# Altium PCB PCB3.PcbDoc (part 1 of 9) (continued)
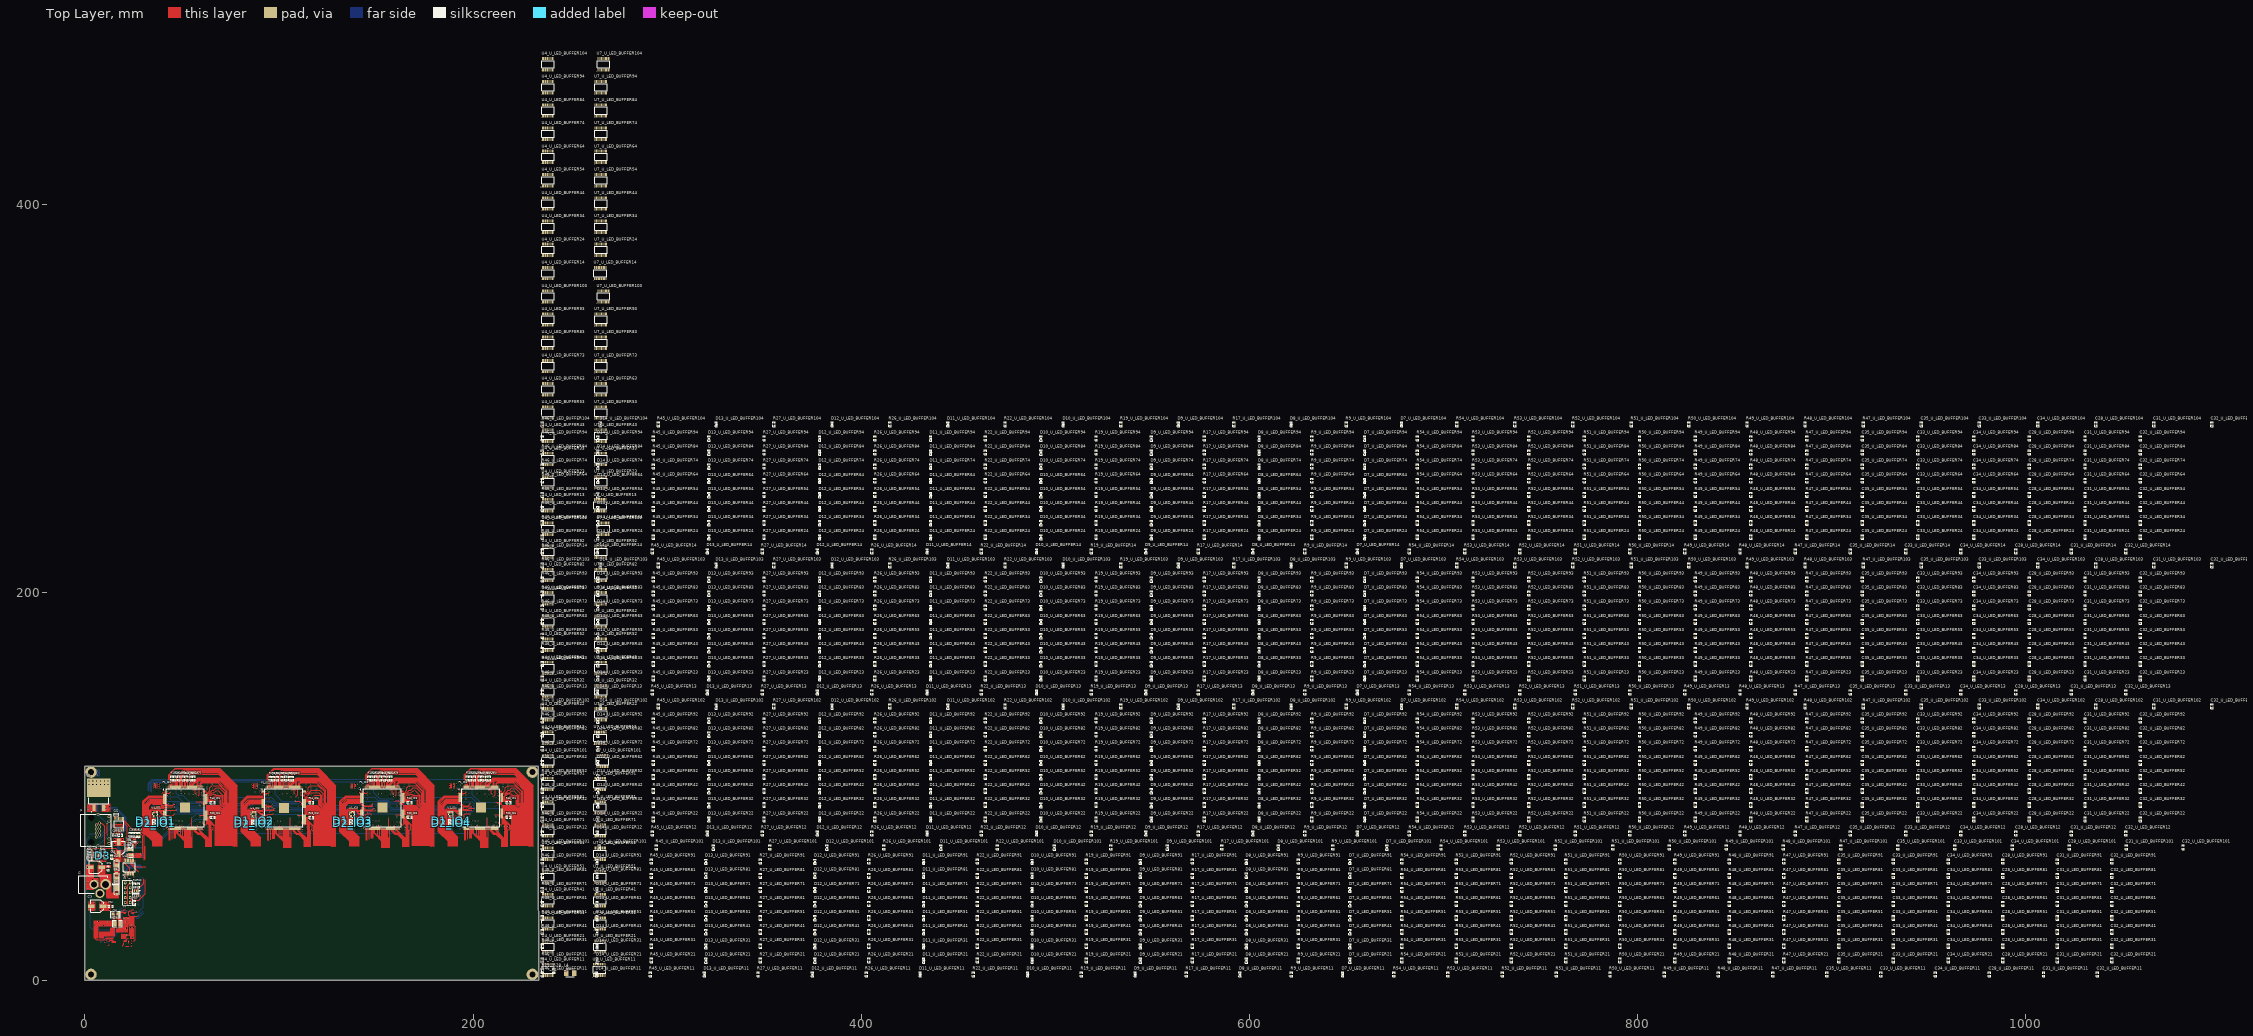
[diagram p0: Top Layer view]
## Classes and differential pairs (continued)
component class U_LED_BUFFER92: C28_U_LED_BUFFER92 C31_U_LED_BUFFER92 C32_U_LED_BUFFER92 C33_U_LED_BUFFER92 C34_U_LED_BUFFER92 C35_U_LED_BUFFER92 D7_U_LED_BUFFER92 D8_U_LED_BUFFER92 D9_U_LED_BUFFER92 D10_U_LED_BUFFER92 D11_U_LED_BUFFER92 D12_U_LED_BUFFER92 D13_U_LED_BUFFER92 D14_U_LED_BUFFER92 R9_U_LED_BUFFER92 R17_U_LED_BUFFER92 R19_U_LED_BUFFER92 R22_U_LED_BUFFER92 R26_U_LED_BUFFER92 R27_U_LED_BUFFER92 R45_U_LED_BUFFER92 R46_U_LED_BUFFER92 R47_U_LED_BUFFER92 R48_U_LED_BUFFER92 R49_U_LED_BUFFER92 R50_U_LED_BUFFER92 R51_U_LED_BUFFER92 R52_U_LED_BUFFER92 R53_U_LED_BUFFER92 R54_U_LED_BUFFER92 U4_U_LED_BUFFER92 U7_U_LED_BUFFER92
component class U_LED_BUFFER91: C28_U_LED_BUFFER91 C31_U_LED_BUFFER91 C32_U_LED_BUFFER91 C33_U_LED_BUFFER91 C34_U_LED_BUFFER91 C35_U_LED_BUFFER91 D7_U_LED_BUFFER91 D8_U_LED_BUFFER91 D9_U_LED_BUFFER91 D10_U_LED_BUFFER91 D11_U_LED_BUFFER91 D12_U_LED_BUFFER91 D13_U_LED_BUFFER91 D14_U_LED_BUFFER91 R9_U_LED_BUFFER91 R17_U_LED_BUFFER91 R19_U_LED_BUFFER91 R22_U_LED_BUFFER91 R26_U_LED_BUFFER91 R27_U_LED_BUFFER91 R45_U_LED_BUFFER91 R46_U_LED_BUFFER91 R47_U_LED_BUFFER91 R48_U_LED_BUFFER91 R49_U_LED_BUFFER91 R50_U_LED_BUFFER91 R51_U_LED_BUFFER91 R52_U_LED_BUFFER91 R53_U_LED_BUFFER91 R54_U_LED_BUFFER91 U4_U_LED_BUFFER91 U7_U_LED_BUFFER91
component class U_LED_BUFFER84: C28_U_LED_BUFFER84 C31_U_LED_BUFFER84 C32_U_LED_BUFFER84 C33_U_LED_BUFFER84 C34_U_LED_BUFFER84 C35_U_LED_BUFFER84 D7_U_LED_BUFFER84 D8_U_LED_BUFFER84 D9_U_LED_BUFFER84 D10_U_LED_BUFFER84 D11_U_LED_BUFFER84 D12_U_LED_BUFFER84 D13_U_LED_BUFFER84 D14_U_LED_BUFFER84 R9_U_LED_BUFFER84 R17_U_LED_BUFFER84 R19_U_LED_BUFFER84 R22_U_LED_BUFFER84 R26_U_LED_BUFFER84 R27_U_LED_BUFFER84 R45_U_LED_BUFFER84 R46_U_LED_BUFFER84 R47_U_LED_BUFFER84 R48_U_LED_BUFFER84 R49_U_LED_BUFFER84 R50_U_LED_BUFFER84 R51_U_LED_BUFFER84 R52_U_LED_BUFFER84 R53_U_LED_BUFFER84 R54_U_LED_BUFFER84 U4_U_LED_BUFFER84 U7_U_LED_BUFFER84
component class U_LED_BUFFER83: C28_U_LED_BUFFER83 C31_U_LED_BUFFER83 C32_U_LED_BUFFER83 C33_U_LED_BUFFER83 C34_U_LED_BUFFER83 C35_U_LED_BUFFER83 D7_U_LED_BUFFER83 D8_U_LED_BUFFER83 D9_U_LED_BUFFER83 D10_U_LED_BUFFER83 D11_U_LED_BUFFER83 D12_U_LED_BUFFER83 D13_U_LED_BUFFER83 D14_U_LED_BUFFER83 R9_U_LED_BUFFER83 R17_U_LED_BUFFER83 R19_U_LED_BUFFER83 R22_U_LED_BUFFER83 R26_U_LED_BUFFER83 R27_U_LED_BUFFER83 R45_U_LED_BUFFER83 R46_U_LED_BUFFER83 R47_U_LED_BUFFER83 R48_U_LED_BUFFER83 R49_U_LED_BUFFER83 R50_U_LED_BUFFER83 R51_U_LED_BUFFER83 R52_U_LED_BUFFER83 R53_U_LED_BUFFER83 R54_U_LED_BUFFER83 U4_U_LED_BUFFER83 U7_U_LED_BUFFER83
component class U_LED_BUFFER82: C28_U_LED_BUFFER82 C31_U_LED_BUFFER82 C32_U_LED_BUFFER82 C33_U_LED_BUFFER82 C34_U_LED_BUFFER82 C35_U_LED_BUFFER82 D7_U_LED_BUFFER82 D8_U_LED_BUFFER82 D9_U_LED_BUFFER82 D10_U_LED_BUFFER82 D11_U_LED_BUFFER82 D12_U_LED_BUFFER82 D13_U_LED_BUFFER82 D14_U_LED_BUFFER82 R9_U_LED_BUFFER82 R17_U_LED_BUFFER82 R19_U_LED_BUFFER82 R22_U_LED_BUFFER82 R26_U_LED_BUFFER82 R27_U_LED_BUFFER82 R45_U_LED_BUFFER82 R46_U_LED_BUFFER82 R47_U_LED_BUFFER82 R48_U_LED_BUFFER82 R49_U_LED_BUFFER82 R50_U_LED_BUFFER82 R51_U_LED_BUFFER82 R52_U_LED_BUFFER82 R53_U_LED_BUFFER82 R54_U_LED_BUFFER82 U4_U_LED_BUFFER82 U7_U_LED_BUFFER82
component class U_LED_BUFFER81: C28_U_LED_BUFFER81 C31_U_LED_BUFFER81 C32_U_LED_BUFFER81 C33_U_LED_BUFFER81 C34_U_LED_BUFFER81 C35_U_LED_BUFFER81 D7_U_LED_BUFFER81 D8_U_LED_BUFFER81 D9_U_LED_BUFFER81 D10_U_LED_BUFFER81 D11_U_LED_BUFFER81 D12_U_LED_BUFFER81 D13_U_LED_BUFFER81 D14_U_LED_BUFFER81 R9_U_LED_BUFFER81 R17_U_LED_BUFFER81 R19_U_LED_BUFFER81 R22_U_LED_BUFFER81 R26_U_LED_BUFFER81 R27_U_LED_BUFFER81 R45_U_LED_BUFFER81 R46_U_LED_BUFFER81 R47_U_LED_BUFFER81 R48_U_LED_BUFFER81 R49_U_LED_BUFFER81 R50_U_LED_BUFFER81 R51_U_LED_BUFFER81 R52_U_LED_BUFFER81 R53_U_LED_BUFFER81 R54_U_LED_BUFFER81 U4_U_LED_BUFFER81 U7_U_LED_BUFFER81
component class U_LED_BUFFER74: C28_U_LED_BUFFER74 C31_U_LED_BUFFER74 C32_U_LED_BUFFER74 C33_U_LED_BUFFER74 C34_U_LED_BUFFER74 C35_U_LED_BUFFER74 D7_U_LED_BUFFER74 D8_U_LED_BUFFER74 D9_U_LED_BUFFER74 D10_U_LED_BUFFER74 D11_U_LED_BUFFER74 D12_U_LED_BUFFER74 D13_U_LED_BUFFER74 D14_U_LED_BUFFER74 R9_U_LED_BUFFER74 R17_U_LED_BUFFER74 R19_U_LED_BUFFER74 R22_U_LED_BUFFER74 R26_U_LED_BUFFER74 R27_U_LED_BUFFER74 R45_U_LED_BUFFER74 R46_U_LED_BUFFER74 R47_U_LED_BUFFER74 R48_U_LED_BUFFER74 R49_U_LED_BUFFER74 R50_U_LED_BUFFER74 R51_U_LED_BUFFER74 R52_U_LED_BUFFER74 R53_U_LED_BUFFER74 R54_U_LED_BUFFER74 U4_U_LED_BUFFER74 U7_U_LED_BUFFER74
component class U_LED_BUFFER73: C28_U_LED_BUFFER73 C31_U_LED_BUFFER73 C32_U_LED_BUFFER73 C33_U_LED_BUFFER73 C34_U_LED_BUFFER73 C35_U_LED_BUFFER73 D7_U_LED_BUFFER73 D8_U_LED_BUFFER73 D9_U_LED_BUFFER73 D10_U_LED_BUFFER73 D11_U_LED_BUFFER73 D12_U_LED_BUFFER73 D13_U_LED_BUFFER73 D14_U_LED_BUFFER73 R9_U_LED_BUFFER73 R17_U_LED_BUFFER73 R19_U_LED_BUFFER73 R22_U_LED_BUFFER73 R26_U_LED_BUFFER73 R27_U_LED_BUFFER73 R45_U_LED_BUFFER73 R46_U_LED_BUFFER73 R47_U_LED_BUFFER73 R48_U_LED_BUFFER73 R49_U_LED_BUFFER73 R50_U_LED_BUFFER73 R51_U_LED_BUFFER73 R52_U_LED_BUFFER73 R53_U_LED_BUFFER73 R54_U_LED_BUFFER73 U4_U_LED_BUFFER73 U7_U_LED_BUFFER73
component class U_LED_BUFFER72: C28_U_LED_BUFFER72 C31_U_LED_BUFFER72 C32_U_LED_BUFFER72 C33_U_LED_BUFFER72 C34_U_LED_BUFFER72 C35_U_LED_BUFFER72 D7_U_LED_BUFFER72 D8_U_LED_BUFFER72 D9_U_LED_BUFFER72 D10_U_LED_BUFFER72 D11_U_LED_BUFFER72 D12_U_LED_BUFFER72 D13_U_LED_BUFFER72 D14_U_LED_BUFFER72 R9_U_LED_BUFFER72 R17_U_LED_BUFFER72 R19_U_LED_BUFFER72 R22_U_LED_BUFFER72 R26_U_LED_BUFFER72 R27_U_LED_BUFFER72 R45_U_LED_BUFFER72 R46_U_LED_BUFFER72 R47_U_LED_BUFFER72 R48_U_LED_BUFFER72 R49_U_LED_BUFFER72 R50_U_LED_BUFFER72 R51_U_LED_BUFFER72 R52_U_LED_BUFFER72 R53_U_LED_BUFFER72 R54_U_LED_BUFFER72 U4_U_LED_BUFFER72 U7_U_LED_BUFFER72
component class U_LED_BUFFER71: C28_U_LED_BUFFER71 C31_U_LED_BUFFER71 C32_U_LED_BUFFER71 C33_U_LED_BUFFER71 C34_U_LED_BUFFER71 C35_U_LED_BUFFER71 D7_U_LED_BUFFER71 D8_U_LED_BUFFER71 D9_U_LED_BUFFER71 D10_U_LED_BUFFER71 D11_U_LED_BUFFER71 D12_U_LED_BUFFER71 D13_U_LED_BUFFER71 D14_U_LED_BUFFER71 R9_U_LED_BUFFER71 R17_U_LED_BUFFER71 R19_U_LED_BUFFER71 R22_U_LED_BUFFER71 R26_U_LED_BUFFER71 R27_U_LED_BUFFER71 R45_U_LED_BUFFER71 R46_U_LED_BUFFER71 R47_U_LED_BUFFER71 R48_U_LED_BUFFER71 R49_U_LED_BUFFER71 R50_U_LED_BUFFER71 R51_U_LED_BUFFER71 R52_U_LED_BUFFER71 R53_U_LED_BUFFER71 R54_U_LED_BUFFER71 U4_U_LED_BUFFER71 U7_U_LED_BUFFER71
component class U_LED_BUFFER64: C28_U_LED_BUFFER64 C31_U_LED_BUFFER64 C32_U_LED_BUFFER64 C33_U_LED_BUFFER64 C34_U_LED_BUFFER64 C35_U_LED_BUFFER64 D7_U_LED_BUFFER64 D8_U_LED_BUFFER64 D9_U_LED_BUFFER64 D10_U_LED_BUFFER64 D11_U_LED_BUFFER64 D12_U_LED_BUFFER64 D13_U_LED_BUFFER64 D14_U_LED_BUFFER64 R9_U_LED_BUFFER64 R17_U_LED_BUFFER64 R19_U_LED_BUFFER64 R22_U_LED_BUFFER64 R26_U_LED_BUFFER64 R27_U_LED_BUFFER64 R45_U_LED_BUFFER64 R46_U_LED_BUFFER64 R47_U_LED_BUFFER64 R48_U_LED_BUFFER64 R49_U_LED_BUFFER64 R50_U_LED_BUFFER64 R51_U_LED_BUFFER64 R52_U_LED_BUFFER64 R53_U_LED_BUFFER64 R54_U_LED_BUFFER64 U4_U_LED_BUFFER64 U7_U_LED_BUFFER64
component class U_LED_BUFFER63: C28_U_LED_BUFFER63 C31_U_LED_BUFFER63 C32_U_LED_BUFFER63 C33_U_LED_BUFFER63 C34_U_LED_BUFFER63 C35_U_LED_BUFFER63 D7_U_LED_BUFFER63 D8_U_LED_BUFFER63 D9_U_LED_BUFFER63 D10_U_LED_BUFFER63 D11_U_LED_BUFFER63 D12_U_LED_BUFFER63 D13_U_LED_BUFFER63 D14_U_LED_BUFFER63 R9_U_LED_BUFFER63 R17_U_LED_BUFFER63 R19_U_LED_BUFFER63 R22_U_LED_BUFFER63 R26_U_LED_BUFFER63 R27_U_LED_BUFFER63 R45_U_LED_BUFFER63 R46_U_LED_BUFFER63 R47_U_LED_BUFFER63 R48_U_LED_BUFFER63 R49_U_LED_BUFFER63 R50_U_LED_BUFFER63 R51_U_LED_BUFFER63 R52_U_LED_BUFFER63 R53_U_LED_BUFFER63 R54_U_LED_BUFFER63 U4_U_LED_BUFFER63 U7_U_LED_BUFFER63
component class U_LED_BUFFER62: C28_U_LED_BUFFER62 C31_U_LED_BUFFER62 C32_U_LED_BUFFER62 C33_U_LED_BUFFER62 C34_U_LED_BUFFER62 C35_U_LED_BUFFER62 D7_U_LED_BUFFER62 D8_U_LED_BUFFER62 D9_U_LED_BUFFER62 D10_U_LED_BUFFER62 D11_U_LED_BUFFER62 D12_U_LED_BUFFER62 D13_U_LED_BUFFER62 D14_U_LED_BUFFER62 R9_U_LED_BUFFER62 R17_U_LED_BUFFER62 R19_U_LED_BUFFER62 R22_U_LED_BUFFER62 R26_U_LED_BUFFER62 R27_U_LED_BUFFER62 R45_U_LED_BUFFER62 R46_U_LED_BUFFER62 R47_U_LED_BUFFER62 R48_U_LED_BUFFER62 R49_U_LED_BUFFER62 R50_U_LED_BUFFER62 R51_U_LED_BUFFER62 R52_U_LED_BUFFER62 R53_U_LED_BUFFER62 R54_U_LED_BUFFER62 U4_U_LED_BUFFER62 U7_U_LED_BUFFER62
component class U_LED_BUFFER61: C28_U_LED_BUFFER61 C31_U_LED_BUFFER61 C32_U_LED_BUFFER61 C33_U_LED_BUFFER61 C34_U_LED_BUFFER61 C35_U_LED_BUFFER61 D7_U_LED_BUFFER61 D8_U_LED_BUFFER61 D9_U_LED_BUFFER61 D10_U_LED_BUFFER61 D11_U_LED_BUFFER61 D12_U_LED_BUFFER61 D13_U_LED_BUFFER61 D14_U_LED_BUFFER61 R9_U_LED_BUFFER61 R17_U_LED_BUFFER61 R19_U_LED_BUFFER61 R22_U_LED_BUFFER61 R26_U_LED_BUFFER61 R27_U_LED_BUFFER61 R45_U_LED_BUFFER61 R46_U_LED_BUFFER61 R47_U_LED_BUFFER61 R48_U_LED_BUFFER61 R49_U_LED_BUFFER61 R50_U_LED_BUFFER61 R51_U_LED_BUFFER61 R52_U_LED_BUFFER61 R53_U_LED_BUFFER61 R54_U_LED_BUFFER61 U4_U_LED_BUFFER61 U7_U_LED_BUFFER61
component class U_LED_BUFFER54: C28_U_LED_BUFFER54 C31_U_LED_BUFFER54 C32_U_LED_BUFFER54 C33_U_LED_BUFFER54 C34_U_LED_BUFFER54 C35_U_LED_BUFFER54 D7_U_LED_BUFFER54 D8_U_LED_BUFFER54 D9_U_LED_BUFFER54 D10_U_LED_BUFFER54 D11_U_LED_BUFFER54 D12_U_LED_BUFFER54 D13_U_LED_BUFFER54 D14_U_LED_BUFFER54 R9_U_LED_BUFFER54 R17_U_LED_BUFFER54 R19_U_LED_BUFFER54 R22_U_LED_BUFFER54 R26_U_LED_BUFFER54 R27_U_LED_BUFFER54 R45_U_LED_BUFFER54 R46_U_LED_BUFFER54 R47_U_LED_BUFFER54 R48_U_LED_BUFFER54 R49_U_LED_BUFFER54 R50_U_LED_BUFFER54 R51_U_LED_BUFFER54 R52_U_LED_BUFFER54 R53_U_LED_BUFFER54 R54_U_LED_BUFFER54 U4_U_LED_BUFFER54 U7_U_LED_BUFFER54
component class U_LED_BUFFER53: C28_U_LED_BUFFER53 C31_U_LED_BUFFER53 C32_U_LED_BUFFER53 C33_U_LED_BUFFER53 C34_U_LED_BUFFER53 C35_U_LED_BUFFER53 D7_U_LED_BUFFER53 D8_U_LED_BUFFER53 D9_U_LED_BUFFER53 D10_U_LED_BUFFER53 D11_U_LED_BUFFER53 D12_U_LED_BUFFER53 D13_U_LED_BUFFER53 D14_U_LED_BUFFER53 R9_U_LED_BUFFER53 R17_U_LED_BUFFER53 R19_U_LED_BUFFER53 R22_U_LED_BUFFER53 R26_U_LED_BUFFER53 R27_U_LED_BUFFER53 R45_U_LED_BUFFER53 R46_U_LED_BUFFER53 R47_U_LED_BUFFER53 R48_U_LED_BUFFER53 R49_U_LED_BUFFER53 R50_U_LED_BUFFER53 R51_U_LED_BUFFER53 R52_U_LED_BUFFER53 R53_U_LED_BUFFER53 R54_U_LED_BUFFER53 U4_U_LED_BUFFER53 U7_U_LED_BUFFER53
component class U_LED_BUFFER52: C28_U_LED_BUFFER52 C31_U_LED_BUFFER52 C32_U_LED_BUFFER52 C33_U_LED_BUFFER52 C34_U_LED_BUFFER52 C35_U_LED_BUFFER52 D7_U_LED_BUFFER52 D8_U_LED_BUFFER52 D9_U_LED_BUFFER52 D10_U_LED_BUFFER52 D11_U_LED_BUFFER52 D12_U_LED_BUFFER52 D13_U_LED_BUFFER52 D14_U_LED_BUFFER52 R9_U_LED_BUFFER52 R17_U_LED_BUFFER52 R19_U_LED_BUFFER52 R22_U_LED_BUFFER52 R26_U_LED_BUFFER52 R27_U_LED_BUFFER52 R45_U_LED_BUFFER52 R46_U_LED_BUFFER52 R47_U_LED_BUFFER52 R48_U_LED_BUFFER52 R49_U_LED_BUFFER52 R50_U_LED_BUFFER52 R51_U_LED_BUFFER52 R52_U_LED_BUFFER52 R53_U_LED_BUFFER52 R54_U_LED_BUFFER52 U4_U_LED_BUFFER52 U7_U_LED_BUFFER52
component class U_LED_BUFFER51: C28_U_LED_BUFFER51 C31_U_LED_BUFFER51 C32_U_LED_BUFFER51 C33_U_LED_BUFFER51 C34_U_LED_BUFFER51 C35_U_LED_BUFFER51 D7_U_LED_BUFFER51 D8_U_LED_BUFFER51 D9_U_LED_BUFFER51 D10_U_LED_BUFFER51 D11_U_LED_BUFFER51 D12_U_LED_BUFFER51 D13_U_LED_BUFFER51 D14_U_LED_BUFFER51 R9_U_LED_BUFFER51 R17_U_LED_BUFFER51 R19_U_LED_BUFFER51 R22_U_LED_BUFFER51 R26_U_LED_BUFFER51 R27_U_LED_BUFFER51 R45_U_LED_BUFFER51 R46_U_LED_BUFFER51 R47_U_LED_BUFFER51 R48_U_LED_BUFFER51 R49_U_LED_BUFFER51 R50_U_LED_BUFFER51 R51_U_LED_BUFFER51 R52_U_LED_BUFFER51 R53_U_LED_BUFFER51 R54_U_LED_BUFFER51 U4_U_LED_BUFFER51 U7_U_LED_BUFFER51
component class U_LED_BUFFER44: C28_U_LED_BUFFER44 C31_U_LED_BUFFER44 C32_U_LED_BUFFER44 C33_U_LED_BUFFER44 C34_U_LED_BUFFER44 C35_U_LED_BUFFER44 D7_U_LED_BUFFER44 D8_U_LED_BUFFER44 D9_U_LED_BUFFER44 D10_U_LED_BUFFER44 D11_U_LED_BUFFER44 D12_U_LED_BUFFER44 D13_U_LED_BUFFER44 D14_U_LED_BUFFER44 R9_U_LED_BUFFER44 R17_U_LED_BUFFER44 R19_U_LED_BUFFER44 R22_U_LED_BUFFER44 R26_U_LED_BUFFER44 R27_U_LED_BUFFER44 R45_U_LED_BUFFER44 R46_U_LED_BUFFER44 R47_U_LED_BUFFER44 R48_U_LED_BUFFER44 R49_U_LED_BUFFER44 R50_U_LED_BUFFER44 R51_U_LED_BUFFER44 R52_U_LED_BUFFER44 R53_U_LED_BUFFER44 R54_U_LED_BUFFER44 U4_U_LED_BUFFER44 U7_U_LED_BUFFER44
component class U_LED_BUFFER43: C28_U_LED_BUFFER43 C31_U_LED_BUFFER43 C32_U_LED_BUFFER43 C33_U_LED_BUFFER43 C34_U_LED_BUFFER43 C35_U_LED_BUFFER43 D7_U_LED_BUFFER43 D8_U_LED_BUFFER43 D9_U_LED_BUFFER43 D10_U_LED_BUFFER43 D11_U_LED_BUFFER43 D12_U_LED_BUFFER43 D13_U_LED_BUFFER43 D14_U_LED_BUFFER43 R9_U_LED_BUFFER43 R17_U_LED_BUFFER43 R19_U_LED_BUFFER43 R22_U_LED_BUFFER43 R26_U_LED_BUFFER43 R27_U_LED_BUFFER43 R45_U_LED_BUFFER43 R46_U_LED_BUFFER43 R47_U_LED_BUFFER43 R48_U_LED_BUFFER43 R49_U_LED_BUFFER43 R50_U_LED_BUFFER43 R51_U_LED_BUFFER43 R52_U_LED_BUFFER43 R53_U_LED_BUFFER43 R54_U_LED_BUFFER43 U4_U_LED_BUFFER43 U7_U_LED_BUFFER43
component class U_LED_BUFFER42: C28_U_LED_BUFFER42 C31_U_LED_BUFFER42 C32_U_LED_BUFFER42 C33_U_LED_BUFFER42 C34_U_LED_BUFFER42 C35_U_LED_BUFFER42 D7_U_LED_BUFFER42 D8_U_LED_BUFFER42 D9_U_LED_BUFFER42 D10_U_LED_BUFFER42 D11_U_LED_BUFFER42 D12_U_LED_BUFFER42 D13_U_LED_BUFFER42 D14_U_LED_BUFFER42 R9_U_LED_BUFFER42 R17_U_LED_BUFFER42 R19_U_LED_BUFFER42 R22_U_LED_BUFFER42 R26_U_LED_BUFFER42 R27_U_LED_BUFFER42 R45_U_LED_BUFFER42 R46_U_LED_BUFFER42 R47_U_LED_BUFFER42 R48_U_LED_BUFFER42 R49_U_LED_BUFFER42 R50_U_LED_BUFFER42 R51_U_LED_BUFFER42 R52_U_LED_BUFFER42 R53_U_LED_BUFFER42 R54_U_LED_BUFFER42 U4_U_LED_BUFFER42 U7_U_LED_BUFFER42
component class U_LED_BUFFER41: C28_U_LED_BUFFER41 C31_U_LED_BUFFER41 C32_U_LED_BUFFER41 C33_U_LED_BUFFER41 C34_U_LED_BUFFER41 C35_U_LED_BUFFER41 D7_U_LED_BUFFER41 D8_U_LED_BUFFER41 D9_U_LED_BUFFER41 D10_U_LED_BUFFER41 D11_U_LED_BUFFER41 D12_U_LED_BUFFER41 D13_U_LED_BUFFER41 D14_U_LED_BUFFER41 R9_U_LED_BUFFER41 R17_U_LED_BUFFER41 R19_U_LED_BUFFER41 R22_U_LED_BUFFER41 R26_U_LED_BUFFER41 R27_U_LED_BUFFER41 R45_U_LED_BUFFER41 R46_U_LED_BUFFER41 R47_U_LED_BUFFER41 R48_U_LED_BUFFER41 R49_U_LED_BUFFER41 R50_U_LED_BUFFER41 R51_U_LED_BUFFER41 R52_U_LED_BUFFER41 R53_U_LED_BUFFER41 R54_U_LED_BUFFER41 U4_U_LED_BUFFER41 U7_U_LED_BUFFER41
component class U_LED_BUFFER34: C28_U_LED_BUFFER34 C31_U_LED_BUFFER34 C32_U_LED_BUFFER34 C33_U_LED_BUFFER34 C34_U_LED_BUFFER34 C35_U_LED_BUFFER34 D7_U_LED_BUFFER34 D8_U_LED_BUFFER34 D9_U_LED_BUFFER34 D10_U_LED_BUFFER34 D11_U_LED_BUFFER34 D12_U_LED_BUFFER34 D13_U_LED_BUFFER34 D14_U_LED_BUFFER34 R9_U_LED_BUFFER34 R17_U_LED_BUFFER34 R19_U_LED_BUFFER34 R22_U_LED_BUFFER34 R26_U_LED_BUFFER34 R27_U_LED_BUFFER34 R45_U_LED_BUFFER34 R46_U_LED_BUFFER34 R47_U_LED_BUFFER34 R48_U_LED_BUFFER34 R49_U_LED_BUFFER34 R50_U_LED_BUFFER34 R51_U_LED_BUFFER34 R52_U_LED_BUFFER34 R53_U_LED_BUFFER34 R54_U_LED_BUFFER34 U4_U_LED_BUFFER34 U7_U_LED_BUFFER34
component class U_LED_BUFFER33: C28_U_LED_BUFFER33 C31_U_LED_BUFFER33 C32_U_LED_BUFFER33 C33_U_LED_BUFFER33 C34_U_LED_BUFFER33 C35_U_LED_BUFFER33 D7_U_LED_BUFFER33 D8_U_LED_BUFFER33 D9_U_LED_BUFFER33 D10_U_LED_BUFFER33 D11_U_LED_BUFFER33 D12_U_LED_BUFFER33 D13_U_LED_BUFFER33 D14_U_LED_BUFFER33 R9_U_LED_BUFFER33 R17_U_LED_BUFFER33 R19_U_LED_BUFFER33 R22_U_LED_BUFFER33 R26_U_LED_BUFFER33 R27_U_LED_BUFFER33 R45_U_LED_BUFFER33 R46_U_LED_BUFFER33 R47_U_LED_BUFFER33 R48_U_LED_BUFFER33 R49_U_LED_BUFFER33 R50_U_LED_BUFFER33 R51_U_LED_BUFFER33 R52_U_LED_BUFFER33 R53_U_LED_BUFFER33 R54_U_LED_BUFFER33 U4_U_LED_BUFFER33 U7_U_LED_BUFFER33
component class U_LED_BUFFER32: C28_U_LED_BUFFER32 C31_U_LED_BUFFER32 C32_U_LED_BUFFER32 C33_U_LED_BUFFER32 C34_U_LED_BUFFER32 C35_U_LED_BUFFER32 D7_U_LED_BUFFER32 D8_U_LED_BUFFER32 D9_U_LED_BUFFER32 D10_U_LED_BUFFER32 D11_U_LED_BUFFER32 D12_U_LED_BUFFER32 D13_U_LED_BUFFER32 D14_U_LED_BUFFER32 R9_U_LED_BUFFER32 R17_U_LED_BUFFER32 R19_U_LED_BUFFER32 R22_U_LED_BUFFER32 R26_U_LED_BUFFER32 R27_U_LED_BUFFER32 R45_U_LED_BUFFER32 R46_U_LED_BUFFER32 R47_U_LED_BUFFER32 R48_U_LED_BUFFER32 R49_U_LED_BUFFER32 R50_U_LED_BUFFER32 R51_U_LED_BUFFER32 R52_U_LED_BUFFER32 R53_U_LED_BUFFER32 R54_U_LED_BUFFER32 U4_U_LED_BUFFER32 U7_U_LED_BUFFER32
component class U_LED_BUFFER31: C28_U_LED_BUFFER31 C31_U_LED_BUFFER31 C32_U_LED_BUFFER31 C33_U_LED_BUFFER31 C34_U_LED_BUFFER31 C35_U_LED_BUFFER31 D7_U_LED_BUFFER31 D8_U_LED_BUFFER31 D9_U_LED_BUFFER31 D10_U_LED_BUFFER31 D11_U_LED_BUFFER31 D12_U_LED_BUFFER31 D13_U_LED_BUFFER31 D14_U_LED_BUFFER31 R9_U_LED_BUFFER31 R17_U_LED_BUFFER31 R19_U_LED_BUFFER31 R22_U_LED_BUFFER31 R26_U_LED_BUFFER31 R27_U_LED_BUFFER31 R45_U_LED_BUFFER31 R46_U_LED_BUFFER31 R47_U_LED_BUFFER31 R48_U_LED_BUFFER31 R49_U_LED_BUFFER31 R50_U_LED_BUFFER31 R51_U_LED_BUFFER31 R52_U_LED_BUFFER31 R53_U_LED_BUFFER31 R54_U_LED_BUFFER31 U4_U_LED_BUFFER31 U7_U_LED_BUFFER31
component class U_LED_BUFFER24: C28_U_LED_BUFFER24 C31_U_LED_BUFFER24 C32_U_LED_BUFFER24 C33_U_LED_BUFFER24 C34_U_LED_BUFFER24 C35_U_LED_BUFFER24 D7_U_LED_BUFFER24 D8_U_LED_BUFFER24 D9_U_LED_BUFFER24 D10_U_LED_BUFFER24 D11_U_LED_BUFFER24 D12_U_LED_BUFFER24 D13_U_LED_BUFFER24 D14_U_LED_BUFFER24 R9_U_LED_BUFFER24 R17_U_LED_BUFFER24 R19_U_LED_BUFFER24 R22_U_LED_BUFFER24 R26_U_LED_BUFFER24 R27_U_LED_BUFFER24 R45_U_LED_BUFFER24 R46_U_LED_BUFFER24 R47_U_LED_BUFFER24 R48_U_LED_BUFFER24 R49_U_LED_BUFFER24 R50_U_LED_BUFFER24 R51_U_LED_BUFFER24 R52_U_LED_BUFFER24 R53_U_LED_BUFFER24 R54_U_LED_BUFFER24 U4_U_LED_BUFFER24 U7_U_LED_BUFFER24
component class U_LED_BUFFER23: C28_U_LED_BUFFER23 C31_U_LED_BUFFER23 C32_U_LED_BUFFER23 C33_U_LED_BUFFER23 C34_U_LED_BUFFER23 C35_U_LED_BUFFER23 D7_U_LED_BUFFER23 D8_U_LED_BUFFER23 D9_U_LED_BUFFER23 D10_U_LED_BUFFER23 D11_U_LED_BUFFER23 D12_U_LED_BUFFER23 D13_U_LED_BUFFER23 D14_U_LED_BUFFER23 R9_U_LED_BUFFER23 R17_U_LED_BUFFER23 R19_U_LED_BUFFER23 R22_U_LED_BUFFER23 R26_U_LED_BUFFER23 R27_U_LED_BUFFER23 R45_U_LED_BUFFER23 R46_U_LED_BUFFER23 R47_U_LED_BUFFER23 R48_U_LED_BUFFER23 R49_U_LED_BUFFER23 R50_U_LED_BUFFER23 R51_U_LED_BUFFER23 R52_U_LED_BUFFER23 R53_U_LED_BUFFER23 R54_U_LED_BUFFER23 U4_U_LED_BUFFER23 U7_U_LED_BUFFER23
component class U_LED_BUFFER22: C28_U_LED_BUFFER22 C31_U_LED_BUFFER22 C32_U_LED_BUFFER22 C33_U_LED_BUFFER22 C34_U_LED_BUFFER22 C35_U_LED_BUFFER22 D7_U_LED_BUFFER22 D8_U_LED_BUFFER22 D9_U_LED_BUFFER22 D10_U_LED_BUFFER22 D11_U_LED_BUFFER22 D12_U_LED_BUFFER22 D13_U_LED_BUFFER22 D14_U_LED_BUFFER22 R9_U_LED_BUFFER22 R17_U_LED_BUFFER22 R19_U_LED_BUFFER22 R22_U_LED_BUFFER22 R26_U_LED_BUFFER22 R27_U_LED_BUFFER22 R45_U_LED_BUFFER22 R46_U_LED_BUFFER22 R47_U_LED_BUFFER22 R48_U_LED_BUFFER22 R49_U_LED_BUFFER22 R50_U_LED_BUFFER22 R51_U_LED_BUFFER22 R52_U_LED_BUFFER22 R53_U_LED_BUFFER22 R54_U_LED_BUFFER22 U4_U_LED_BUFFER22 U7_U_LED_BUFFER22
component class U_LED_BUFFER21: C28_U_LED_BUFFER21 C31_U_LED_BUFFER21 C32_U_LED_BUFFER21 C33_U_LED_BUFFER21 C34_U_LED_BUFFER21 C35_U_LED_BUFFER21 D7_U_LED_BUFFER21 D8_U_LED_BUFFER21 D9_U_LED_BUFFER21 D10_U_LED_BUFFER21 D11_U_LED_BUFFER21 D12_U_LED_BUFFER21 D13_U_LED_BUFFER21 D14_U_LED_BUFFER21 R9_U_LED_BUFFER21 R17_U_LED_BUFFER21 R19_U_LED_BUFFER21 R22_U_LED_BUFFER21 R26_U_LED_BUFFER21 R27_U_LED_BUFFER21 R45_U_LED_BUFFER21 R46_U_LED_BUFFER21 R47_U_LED_BUFFER21 R48_U_LED_BUFFER21 R49_U_LED_BUFFER21 R50_U_LED_BUFFER21 R51_U_LED_BUFFER21 R52_U_LED_BUFFER21 R53_U_LED_BUFFER21 R54_U_LED_BUFFER21 U4_U_LED_BUFFER21 U7_U_LED_BUFFER21
component class U_LED_BUFFER14: C28_U_LED_BUFFER14 C31_U_LED_BUFFER14 C32_U_LED_BUFFER14 C33_U_LED_BUFFER14 C34_U_LED_BUFFER14 C35_U_LED_BUFFER14 D7_U_LED_BUFFER14 D8_U_LED_BUFFER14 D9_U_LED_BUFFER14 D10_U_LED_BUFFER14 D11_U_LED_BUFFER14 D12_U_LED_BUFFER14 D13_U_LED_BUFFER14 D14_U_LED_BUFFER14 R9_U_LED_BUFFER14 R17_U_LED_BUFFER14 R19_U_LED_BUFFER14 R22_U_LED_BUFFER14 R26_U_LED_BUFFER14 R27_U_LED_BUFFER14 R45_U_LED_BUFFER14 R46_U_LED_BUFFER14 R47_U_LED_BUFFER14 R48_U_LED_BUFFER14 R49_U_LED_BUFFER14 R50_U_LED_BUFFER14 R51_U_LED_BUFFER14 R52_U_LED_BUFFER14 R53_U_LED_BUFFER14 R54_U_LED_BUFFER14 U4_U_LED_BUFFER14 U7_U_LED_BUFFER14
component class U_LED_BUFFER13: C28_U_LED_BUFFER13 C31_U_LED_BUFFER13 C32_U_LED_BUFFER13 C33_U_LED_BUFFER13 C34_U_LED_BUFFER13 C35_U_LED_BUFFER13 D7_U_LED_BUFFER13 D8_U_LED_BUFFER13 D9_U_LED_BUFFER13 D10_U_LED_BUFFER13 D11_U_LED_BUFFER13 D12_U_LED_BUFFER13 D13_U_LED_BUFFER13 D14_U_LED_BUFFER13 R9_U_LED_BUFFER13 R17_U_LED_BUFFER13 R19_U_LED_BUFFER13 R22_U_LED_BUFFER13 R26_U_LED_BUFFER13 R27_U_LED_BUFFER13 R45_U_LED_BUFFER13 R46_U_LED_BUFFER13 R47_U_LED_BUFFER13 R48_U_LED_BUFFER13 R49_U_LED_BUFFER13 R50_U_LED_BUFFER13 R51_U_LED_BUFFER13 R52_U_LED_BUFFER13 R53_U_LED_BUFFER13 R54_U_LED_BUFFER13 U4_U_LED_BUFFER13 U7_U_LED_BUFFER13
component class U_LED_BUFFER12: C28_U_LED_BUFFER12 C31_U_LED_BUFFER12 C32_U_LED_BUFFER12 C33_U_LED_BUFFER12 C34_U_LED_BUFFER12 C35_U_LED_BUFFER12 D7_U_LED_BUFFER12 D8_U_LED_BUFFER12 D9_U_LED_BUFFER12 D10_U_LED_BUFFER12 D11_U_LED_BUFFER12 D12_U_LED_BUFFER12 D13_U_LED_BUFFER12 D14_U_LED_BUFFER12 R9_U_LED_BUFFER12 R17_U_LED_BUFFER12 R19_U_LED_BUFFER12 R22_U_LED_BUFFER12 R26_U_LED_BUFFER12 R27_U_LED_BUFFER12 R45_U_LED_BUFFER12 R46_U_LED_BUFFER12 R47_U_LED_BUFFER12 R48_U_LED_BUFFER12 R49_U_LED_BUFFER12 R50_U_LED_BUFFER12 R51_U_LED_BUFFER12 R52_U_LED_BUFFER12 R53_U_LED_BUFFER12 R54_U_LED_BUFFER12 U4_U_LED_BUFFER12 U7_U_LED_BUFFER12
component class U_LED_BUFFER11: C28_U_LED_BUFFER11 C31_U_LED_BUFFER11 C32_U_LED_BUFFER11 C33_U_LED_BUFFER11 C34_U_LED_BUFFER11 C35_U_LED_BUFFER11 D7_U_LED_BUFFER11 D8_U_LED_BUFFER11 D9_U_LED_BUFFER11 D10_U_LED_BUFFER11 D11_U_LED_BUFFER11 D12_U_LED_BUFFER11 D13_U_LED_BUFFER11 D14_U_LED_BUFFER11 R9_U_LED_BUFFER11 R17_U_LED_BUFFER11 R19_U_LED_BUFFER11 R22_U_LED_BUFFER11 R26_U_LED_BUFFER11 R27_U_LED_BUFFER11 R45_U_LED_BUFFER11 R46_U_LED_BUFFER11 R47_U_LED_BUFFER11 R48_U_LED_BUFFER11 R49_U_LED_BUFFER11 R50_U_LED_BUFFER11 R51_U_LED_BUFFER11 R52_U_LED_BUFFER11 R53_U_LED_BUFFER11 R54_U_LED_BUFFER11 U4_U_LED_BUFFER11 U7_U_LED_BUFFER11
component class Power_ORing: C73 C74 C75 C76 C77 C78 C79 D3 D4 D5 D6 J2 R35 R36 R37 R38 R39 R40 R41 R42 R43 R44 U5
channel class FPGA_IO: IO1 IO2 IO3 IO4
component class Power: C18 C19 C20 C21 C22 C25 C26 C27 C29 C30 R15 R16 R18 R28 R29 U3 U6
component class TOP_LED: C36 C37 C38 C39 C40 C41 C42 C43 C44 J1 P3 R10 R11 R12 R23 R24 R25 R30 R31 R32 R33 R34 U2 U8 U14
component class IO4: C1_IO4 D1_IO4 D2_IO4 P1_IO4 R1_IO4 R2_IO4 R3_IO4 R4_IO4 R5_IO4 R6_IO4 R7_IO4 R8_IO4 R13_IO4 R14_IO4 R20_IO4 R21_IO4 U1_IO4
component class IO3: C1_IO3 D1_IO3 D2_IO3 P1_IO3 R1_IO3 R2_IO3 R3_IO3 R4_IO3 R5_IO3 R6_IO3 R7_IO3 R8_IO3 R13_IO3 R14_IO3 R20_IO3 R21_IO3 U1_IO3
component class IO2: C1_IO2 D1_IO2 D2_IO2 P1_IO2 R1_IO2 R2_IO2 R3_IO2 R4_IO2 R5_IO2 R6_IO2 R7_IO2 R8_IO2 R13_IO2 R14_IO2 R20_IO2 R21_IO2 U1_IO2
component class IO1: C1_IO1 D1_IO1 D2_IO1 P1_IO1 R1_IO1 R2_IO1 R3_IO1 R4_IO1 R5_IO1 R6_IO1 R7_IO1 R8_IO1 R13_IO1 R14_IO1 R20_IO1 R21_IO1 U1_IO1

## Components (designator, comment, footprint, x,y, rotation, side; value= is the part's Value field where it differs from the comment)
C1_IO1 "0.1uF/16V" 0603C 34.835,85.852 r90 bottom (schematic designator C1)
C1_IO2 "0.1uF/16V" 0603C 85.663,85.786 r90 bottom (schematic designator C1)
C1_IO3 "0.1uF/16V" 0603C 136.384,85.874 r90 bottom (schematic designator C1)
C1_IO4 "0.1uF/16V" 0603C 187.26,85.878 r90 bottom (schematic designator C1)
C18 "1uF/16V" 0603C 26.397,75.086 r90 bottom
C19 "22uF/25V" 1210C 22.338,71.408 r270 bottom
C20 "0.1uF/50V" 0603C 22.986,71.703 r270 top
C21 "1nF/63V" 0603C 23.559,69.427 r0 top
C22 "6.8nF/50V" 0603C 23.591,75.086 r270 top
C25 "10pF/50V" 0603C 27.817,75.079 r270 bottom
C26 "22uF/25V" 1210C 23.357,66.026 r270 top
C27 "22uF/25V" 1210C 23.357,66.026 r270 bottom
C28_U_LED_BUFFER11 "0.1uF/16V" 0603C 981.598,3.15 r90 top (schematic designator C28)
C28_U_LED_BUFFER12 "0.1uF/16V" 0603C 995.298,75.85 r90 top (schematic designator C28)
C28_U_LED_BUFFER13 "0.1uF/16V" 0603C 995.298,148.549 r90 top (schematic designator C28)
C28_U_LED_BUFFER14 "0.1uF/16V" 0603C 995.298,221.249 r90 top (schematic designator C28)
C28_U_LED_BUFFER21 "0.1uF/16V" 0603C 988.498,10.45 r90 top (schematic designator C28)
C28_U_LED_BUFFER22 "0.1uF/16V" 0603C 1002.198,83.15 r90 top (schematic designator C28)
C28_U_LED_BUFFER23 "0.1uF/16V" 0603C 1002.198,155.849 r90 top (schematic designator C28)
C28_U_LED_BUFFER24 "0.1uF/16V" 0603C 1002.198,228.549 r90 top (schematic designator C28)
C28_U_LED_BUFFER31 "0.1uF/16V" 0603C 988.498,17.75 r90 top (schematic designator C28)
C28_U_LED_BUFFER32 "0.1uF/16V" 0603C 1002.198,90.45 r90 top (schematic designator C28)
C28_U_LED_BUFFER33 "0.1uF/16V" 0603C 1002.198,163.149 r90 top (schematic designator C28)
C28_U_LED_BUFFER34 "0.1uF/16V" 0603C 1002.198,235.849 r90 top (schematic designator C28)
C28_U_LED_BUFFER41 "0.1uF/16V" 0603C 988.498,25.05 r90 top (schematic designator C28)
C28_U_LED_BUFFER42 "0.1uF/16V" 0603C 1002.198,97.75 r90 top (schematic designator C28)
C28_U_LED_BUFFER43 "0.1uF/16V" 0603C 1002.198,170.449 r90 top (schematic designator C28)
C28_U_LED_BUFFER44 "0.1uF/16V" 0603C 1002.198,243.149 r90 top (schematic designator C28)
C28_U_LED_BUFFER51 "0.1uF/16V" 0603C 988.498,32.25 r90 top (schematic designator C28)
C28_U_LED_BUFFER52 "0.1uF/16V" 0603C 1002.198,104.95 r90 top (schematic designator C28)
C28_U_LED_BUFFER53 "0.1uF/16V" 0603C 1002.198,177.649 r90 top (schematic designator C28)
C28_U_LED_BUFFER54 "0.1uF/16V" 0603C 1002.198,250.349 r90 top (schematic designator C28)
C28_U_LED_BUFFER61 "0.1uF/16V" 0603C 988.498,39.55 r90 top (schematic designator C28)
C28_U_LED_BUFFER62 "0.1uF/16V" 0603C 1002.198,112.25 r90 top (schematic designator C28)
C28_U_LED_BUFFER63 "0.1uF/16V" 0603C 1002.198,184.949 r90 top (schematic designator C28)
C28_U_LED_BUFFER64 "0.1uF/16V" 0603C 1002.198,257.649 r90 top (schematic designator C28)
C28_U_LED_BUFFER71 "0.1uF/16V" 0603C 988.498,46.85 r90 top (schematic designator C28)
C28_U_LED_BUFFER72 "0.1uF/16V" 0603C 1002.198,119.549 r90 top (schematic designator C28)
C28_U_LED_BUFFER73 "0.1uF/16V" 0603C 1002.198,192.249 r90 top (schematic designator C28)
C28_U_LED_BUFFER74 "0.1uF/16V" 0603C 1002.198,264.949 r90 top (schematic designator C28)
C28_U_LED_BUFFER81 "0.1uF/16V" 0603C 988.498,54.05 r90 top (schematic designator C28)
C28_U_LED_BUFFER82 "0.1uF/16V" 0603C 1002.198,126.749 r90 top (schematic designator C28)
C28_U_LED_BUFFER83 "0.1uF/16V" 0603C 1002.198,199.449 r90 top (schematic designator C28)
C28_U_LED_BUFFER84 "0.1uF/16V" 0603C 1002.198,272.149 r90 top (schematic designator C28)
C28_U_LED_BUFFER91 "0.1uF/16V" 0603C 988.498,61.35 r90 top (schematic designator C28)
C28_U_LED_BUFFER92 "0.1uF/16V" 0603C 1002.198,134.049 r90 top (schematic designator C28)
C28_U_LED_BUFFER93 "0.1uF/16V" 0603C 1002.198,206.749 r90 top (schematic designator C28)
C28_U_LED_BUFFER94 "0.1uF/16V" 0603C 1002.198,279.449 r90 top (schematic designator C28)
C28_U_LED_BUFFER101 "0.1uF/16V" 0603C 1022.698,68.65 r90 top (schematic designator C28)
C28_U_LED_BUFFER102 "0.1uF/16V" 0603C 1036.498,141.349 r90 top (schematic designator C28)
C28_U_LED_BUFFER103 "0.1uF/16V" 0603C 1036.498,214.049 r90 top (schematic designator C28)
C28_U_LED_BUFFER104 "0.1uF/16V" 0603C 1036.498,286.749 r90 top (schematic designator C28)
C29 "22uF/25V" 1210C 16.758,29.341 r180 top
C30 "22uF/25V" 1210C 15.782,33.964 r180 top
C31_U_LED_BUFFER11 "0.1uF/16V" 0603C 1009.498,3.15 r90 top (schematic designator C31)
C31_U_LED_BUFFER12 "0.1uF/16V" 0603C 1023.798,75.85 r90 top (schematic designator C31)
C31_U_LED_BUFFER13 "0.1uF/16V" 0603C 1023.798,148.549 r90 top (schematic designator C31)
C31_U_LED_BUFFER14 "0.1uF/16V" 0603C 1023.798,221.249 r90 top (schematic designator C31)
C31_U_LED_BUFFER21 "0.1uF/16V" 0603C 1016.698,10.45 r90 top (schematic designator C31)
C31_U_LED_BUFFER22 "0.1uF/16V" 0603C 1030.898,83.15 r90 top (schematic designator C31)
C31_U_LED_BUFFER23 "0.1uF/16V" 0603C 1030.898,155.849 r90 top (schematic designator C31)
C31_U_LED_BUFFER24 "0.1uF/16V" 0603C 1030.898,228.549 r90 top (schematic designator C31)
C31_U_LED_BUFFER31 "0.1uF/16V" 0603C 1016.698,17.75 r90 top (schematic designator C31)
C31_U_LED_BUFFER32 "0.1uF/16V" 0603C 1030.898,90.45 r90 top (schematic designator C31)
C31_U_LED_BUFFER33 "0.1uF/16V" 0603C 1030.898,163.149 r90 top (schematic designator C31)
C31_U_LED_BUFFER34 "0.1uF/16V" 0603C 1030.898,235.849 r90 top (schematic designator C31)
C31_U_LED_BUFFER41 "0.1uF/16V" 0603C 1016.698,25.05 r90 top (schematic designator C31)
C31_U_LED_BUFFER42 "0.1uF/16V" 0603C 1030.898,97.75 r90 top (schematic designator C31)
C31_U_LED_BUFFER43 "0.1uF/16V" 0603C 1030.898,170.449 r90 top (schematic designator C31)
C31_U_LED_BUFFER44 "0.1uF/16V" 0603C 1030.898,243.149 r90 top (schematic designator C31)
C31_U_LED_BUFFER51 "0.1uF/16V" 0603C 1016.698,32.25 r90 top (schematic designator C31)
C31_U_LED_BUFFER52 "0.1uF/16V" 0603C 1030.898,104.95 r90 top (schematic designator C31)
C31_U_LED_BUFFER53 "0.1uF/16V" 0603C 1030.898,177.649 r90 top (schematic designator C31)
C31_U_LED_BUFFER54 "0.1uF/16V" 0603C 1030.898,250.349 r90 top (schematic designator C31)
C31_U_LED_BUFFER61 "0.1uF/16V" 0603C 1016.698,39.55 r90 top (schematic designator C31)
C31_U_LED_BUFFER62 "0.1uF/16V" 0603C 1030.898,112.25 r90 top (schematic designator C31)
C31_U_LED_BUFFER63 "0.1uF/16V" 0603C 1030.898,184.949 r90 top (schematic designator C31)
C31_U_LED_BUFFER64 "0.1uF/16V" 0603C 1030.898,257.649 r90 top (schematic designator C31)
C31_U_LED_BUFFER71 "0.1uF/16V" 0603C 1016.698,46.85 r90 top (schematic designator C31)
C31_U_LED_BUFFER72 "0.1uF/16V" 0603C 1030.898,119.549 r90 top (schematic designator C31)
C31_U_LED_BUFFER73 "0.1uF/16V" 0603C 1030.898,192.249 r90 top (schematic designator C31)
C31_U_LED_BUFFER74 "0.1uF/16V" 0603C 1030.898,264.949 r90 top (schematic designator C31)
C31_U_LED_BUFFER81 "0.1uF/16V" 0603C 1016.698,54.05 r90 top (schematic designator C31)
C31_U_LED_BUFFER82 "0.1uF/16V" 0603C 1030.898,126.749 r90 top (schematic designator C31)
C31_U_LED_BUFFER83 "0.1uF/16V" 0603C 1030.898,199.449 r90 top (schematic designator C31)
C31_U_LED_BUFFER84 "0.1uF/16V" 0603C 1030.898,272.149 r90 top (schematic designator C31)
C31_U_LED_BUFFER91 "0.1uF/16V" 0603C 1016.698,61.35 r90 top (schematic designator C31)
C31_U_LED_BUFFER92 "0.1uF/16V" 0603C 1030.898,134.049 r90 top (schematic designator C31)
C31_U_LED_BUFFER93 "0.1uF/16V" 0603C 1030.898,206.749 r90 top (schematic designator C31)
C31_U_LED_BUFFER94 "0.1uF/16V" 0603C 1030.898,279.449 r90 top (schematic designator C31)
C31_U_LED_BUFFER101 "0.1uF/16V" 0603C 1052.198,68.65 r90 top (schematic designator C31)
C31_U_LED_BUFFER102 "0.1uF/16V" 0603C 1066.398,141.349 r90 top (schematic designator C31)
C31_U_LED_BUFFER103 "0.1uF/16V" 0603C 1066.398,214.049 r90 top (schematic designator C31)
C31_U_LED_BUFFER104 "0.1uF/16V" 0603C 1066.398,286.749 r90 top (schematic designator C31)
C32_U_LED_BUFFER11 "0.1uF/16V" 0603C 1037.198,3.15 r90 top (schematic designator C32)
C32_U_LED_BUFFER12 "0.1uF/16V" 0603C 1051.898,75.85 r90 top (schematic designator C32)
C32_U_LED_BUFFER13 "0.1uF/16V" 0603C 1051.898,148.549 r90 top (schematic designator C32)
C32_U_LED_BUFFER14 "0.1uF/16V" 0603C 1051.898,221.249 r90 top (schematic designator C32)
C32_U_LED_BUFFER21 "0.1uF/16V" 0603C 1044.598,10.45 r90 top (schematic designator C32)
C32_U_LED_BUFFER22 "0.1uF/16V" 0603C 1059.298,83.15 r90 top (schematic designator C32)
C32_U_LED_BUFFER23 "0.1uF/16V" 0603C 1059.298,155.849 r90 top (schematic designator C32)
C32_U_LED_BUFFER24 "0.1uF/16V" 0603C 1059.298,228.549 r90 top (schematic designator C32)
C32_U_LED_BUFFER31 "0.1uF/16V" 0603C 1044.598,17.75 r90 top (schematic designator C32)
C32_U_LED_BUFFER32 "0.1uF/16V" 0603C 1059.298,90.45 r90 top (schematic designator C32)
C32_U_LED_BUFFER33 "0.1uF/16V" 0603C 1059.298,163.149 r90 top (schematic designator C32)
C32_U_LED_BUFFER34 "0.1uF/16V" 0603C 1059.298,235.849 r90 top (schematic designator C32)
C32_U_LED_BUFFER41 "0.1uF/16V" 0603C 1044.598,25.05 r90 top (schematic designator C32)
C32_U_LED_BUFFER42 "0.1uF/16V" 0603C 1059.298,97.75 r90 top (schematic designator C32)
C32_U_LED_BUFFER43 "0.1uF/16V" 0603C 1059.298,170.449 r90 top (schematic designator C32)
C32_U_LED_BUFFER44 "0.1uF/16V" 0603C 1059.298,243.149 r90 top (schematic designator C32)
C32_U_LED_BUFFER51 "0.1uF/16V" 0603C 1044.598,32.25 r90 top (schematic designator C32)
C32_U_LED_BUFFER52 "0.1uF/16V" 0603C 1059.298,104.95 r90 top (schematic designator C32)
C32_U_LED_BUFFER53 "0.1uF/16V" 0603C 1059.298,177.649 r90 top (schematic designator C32)
C32_U_LED_BUFFER54 "0.1uF/16V" 0603C 1059.298,250.349 r90 top (schematic designator C32)
C32_U_LED_BUFFER61 "0.1uF/16V" 0603C 1044.598,39.55 r90 top (schematic designator C32)
C32_U_LED_BUFFER62 "0.1uF/16V" 0603C 1059.298,112.25 r90 top (schematic designator C32)
C32_U_LED_BUFFER63 "0.1uF/16V" 0603C 1059.298,184.949 r90 top (schematic designator C32)
C32_U_LED_BUFFER64 "0.1uF/16V" 0603C 1059.298,257.649 r90 top (schematic designator C32)
C32_U_LED_BUFFER71 "0.1uF/16V" 0603C 1044.598,46.85 r90 top (schematic designator C32)
C32_U_LED_BUFFER72 "0.1uF/16V" 0603C 1059.298,119.549 r90 top (schematic designator C32)
C32_U_LED_BUFFER73 "0.1uF/16V" 0603C 1059.298,192.249 r90 top (schematic designator C32)
C32_U_LED_BUFFER74 "0.1uF/16V" 0603C 1059.298,264.949 r90 top (schematic designator C32)
C32_U_LED_BUFFER81 "0.1uF/16V" 0603C 1044.598,54.05 r90 top (schematic designator C32)
C32_U_LED_BUFFER82 "0.1uF/16V" 0603C 1059.298,126.749 r90 top (schematic designator C32)